# Allegro board DISCOVERY-F030_BOOSTPACK.brd (continued)
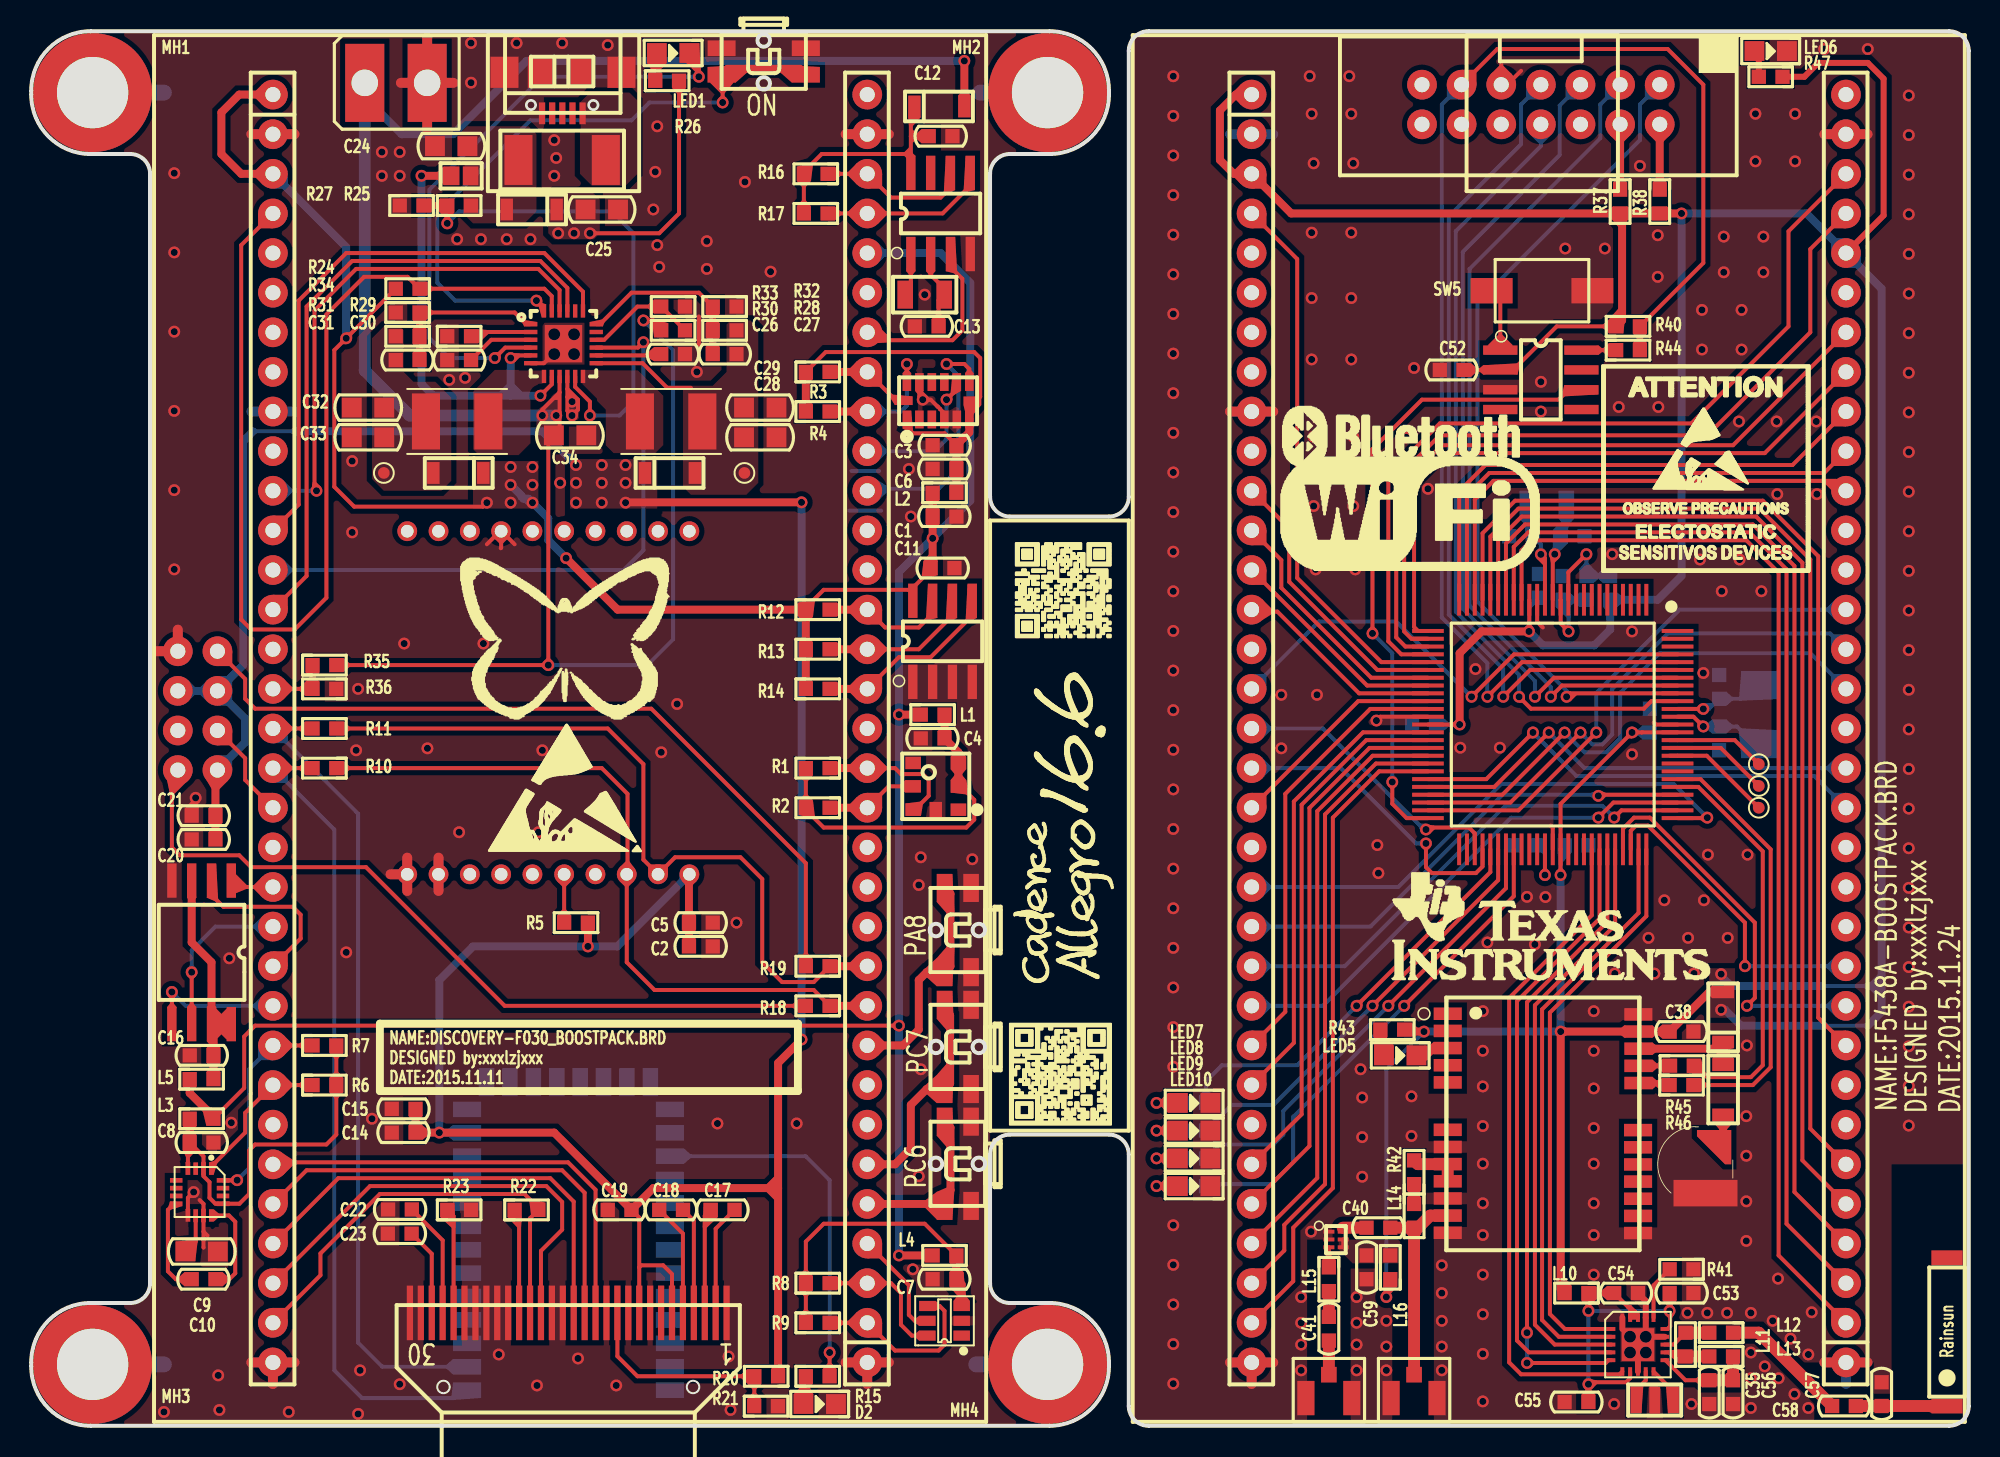
[diagram p0: board, top side]
## Nets (continued)
OLED_DC: U1.30(PB10) U11.15(DC)
OLED_RES: U1.29(PB2) U11.14(RES)
P1.0: U14.17(P1.0/TA0CLK/ACLK) U15.35(PB13)
P1.1: U14.18(P1.1/TA0.0) U15.36(PB14)
P1.2: U14.19(P1.2/TA0.1) U15.37(PB15)
P1.3: U14.20(P1.3/TA0.2) U15.38(PC6)
P1.4: U14.21(P1.4/TA0.3) U15.39(PC7)
P1.5: U14.22(P1.5/TA0.4) U15.42(PA8)
P1.6: U14.23(P1.6/SMCLK) U15.56(PB3)
P1.7: U14.24(P1.7) U15.57(PB4)
P2.0: U14.25(P2.0/TA1CLK/MCLK) U15.58(PB5)
P2.1: U14.26(P2.1/TA1.0) U15.59(PB6)
P2.2: U14.27(P2.2/TA1.1) U15.60(PB7)
P2.3: U14.28(P2.3/TA1.2) U15.63(PB8)
P2.4: U14.29(P2.4/RTCCLK) U15.64(PB9)
P2.5: U14.30(P2.5) U15.4(PC13)
P2.6: U14.31(P2.6/ACLK) U15.11(PC0)
P2.7: U14.32(P2.7/ADC12CLK/DMAE0) U15.12(PC1)
P3.0: U14.33(P3.0/UCB0STE/UCA0CLK) U15.13(PC2)
P3.1: U14.34(P3.1/UCB0SIMO/UCB0SDA) U15.14(PC3)
P3.2: U14.35(P3.2/UCB0SOMI/UCB0SCL) U15.19(PF4)
P3.3: U14.36(P3.3/UCB0CLK/UCA0STE) U15.25(PC4)
P3.4: U14.39(P3.4/UCA0TXD/UCA0SIMO) U15.26(PC5)
P3.5: U14.40(P3.5/UCA0RXD/UCA0SOMI) U15.28(PB1)
P3.6: U14.41(P3.6/UCB1STE/UCA1CLK) U15.29(PB2)
P3.7: U14.42(P3.7/UCB1SIMO/UCB1SDA) U15.30(PB10)
P4.0: U14.43(P4.0/TB0.0) U15.31(PB11)
P4.1: U14.44(P4.1/TB0.1) U15.32(PB12)
P4.2: U14.45(P4.2/TB0.2) U15.48(PF6)
P4.3: U14.46(P4.3/TB0.3) U15.49(PF7)
P4.4: U14.47(P4.4/TB0.4) U15.51(PA15)
P4.5: U14.48(P4.5/TB0.5) U15.52(PC10)
P4.6: U14.49(P4.6/TB0.6) U15.53(PC11)
P4.7: U14.50(P4.7/TB0CLK/SMCLK) U16.6(WDI)
P5.0: U14.9(P5.0/A8/VREF+/VEREF+)
P5.1: U14.10(P5.1/A9/VREF-/VEREF-)
P5.2: C39.1 U14.89(P5.2/XT2IN) X2.2
P5.3: C42.1 U14.90(P5.3/XT2OUT) X2.1
P5.4: U14.51(P5.4/UCB1SOMI/UCB1SCL)
P5.5: U14.52(P5.5/UCB1CLK/UCA1STE)
P5.6: U14.53(P5.6/UCA1TXD/UCA1SIMO) U15.17(PA2)
P5.7: U14.54(P5.7/UCA1RXD/UCA1SOMI) U15.18(PA3)
P6.0: U14.97(P6.0/A0) U15.16(PA1)
P6.1: U14.98(P6.1/A1)
P6.2: U14.99(P6.2/A2)
P6.3: U14.100(P6.3/A3)
P6.4: U14.1(P6.4/A4)
P6.5: U14.2(P6.5/A5)
P6.6: U14.3(P6.6/A6)
P6.7: U14.4(P6.7/A7)
P7.2: R48.2 U14.55(P7.2/TB0OUTH/SVMOUT)
P7.3: R49.2 U14.56(P7.3/TA1.2)
P7.4: U14.5(P7.4/A12)
P7.5: U14.6(P7.5/A13)
P7.6: U14.7(P7.6/A14)
P7.7: U14.8(P7.7/A15)
P8.0: R50.2 U14.57(P8.0/TA0.0)
P8.1: R51.2 U14.58(P8.1/TA0.1)
P8.2: U14.59(P8.2/TA0.2)
P8.3: U14.60(P8.3/TA0.3)
P8.4: U14.61(P8.4/TA0.4)
P8.5: U14.65(P8.5/TA1.0)
P8.6: U14.66(P8.6/TA1.1)
P8.7: U14.67(P8.7)
P9.0: U14.68(P9.0/UCB2STE/UCA2CLK) U17.6(IRQ)
P9.1: U14.69(P9.1/UCB2SIMO/UCB2SDA) U17.4(MOSI)
P9.2: U14.70(P9.2/UCB2SOMI/UCB2SCL) U17.5(MISO)
P9.3: U14.71(P9.3/UCB2CLK/UCA2STE) U17.3(SCK)
P9.4: U14.72(P9.4/UCA2TXD/UCA2SIMO) U15.43(PA9)
P9.5: U14.73(P9.5/UCA2RXD/UCA2SOMI) U15.44(PA10)
P9.6: U14.74(P9.6) U17.2(CSN)
P9.7: U14.75(P9.7) U17.1(CE)
P10.0: U14.76(P10.0/UCB3STE/UCA3CLK) U15.21(PA4)
P10.1: U14.77(P10.1/UCB3SIMO/UCB3SDA) U15.23(PA6)
P10.2: U14.78(P10.2/UCB3SOMI/UCB3SCL) U15.24(PA7)
P10.3: U14.79(P10.3/UCB3CLK/UCA3STE) U15.22(PA5)
P10.4: R45.1 U14.80(P10.4/UCA3TXD/UCA3SIMO)
P10.5: R46.1 U14.81(P10.5/UCA3RXD/UCA3SOMI)
P10.6: U14.82(P10.6)
P10.7: U14.83(P10.7)
P11.0: TP5.1 U14.84(P11.0/ACLK)
P11.1: TP4.1 U14.85(P11.1/MCLK)
P11.2: TP3.1 U14.86(P11.2/SMCLK)
PA8: SW3.1 SW3.2 U1.42(PA8)
PA11: U1.45(PA11)
PA12: U1.46(PA12)
PB0: U1.27(PB0)
PC6: SW1.1 SW1.2 U1.38(PC6)
PC7: SW2.1 SW2.2 U1.39(PC7)
PC12: U1.54(PC12)
PCF8563_INT: U1.60(PB7) U9.3(I\N\T\)
PCF8563_SCL: R16.2 U1.64(PB9) U9.6(SCL)
PCF8563_SDA: R17.2 U1.63(PB8) U9.5(SDA)
PD2: U1.55(PD2)
PF5: U1.20(PF5)
RF_RXD: R10.2 R18.2 U1.43(PA9) U4.3(DIN/NCONFIG/DIO14)
RF_TXD: R11.2 R19.2 U1.44(PA10) U4.2(DOUT/DIO13)
SYS_RESET#: JP1.11 R40.1 R44.1 U14.96(RST/NMI/SBWTDIO)
VMAX: C25.2 D3.2 R26.1 U13.10(VMAX)
W25QXX_CS: U1.21(PA4) U10.1(C\S\)
W25QXX_SPI_CLK: U1.22(PA5) U10.6(CLK)
W25QXX_SPI_MISO: U1.23(PA6) U10.2(DO)
W25QXX_SPI_MOSI: U1.24(PA7) U10.5(DI)
WIFI_RST: U1.19(PF4) U12.5(RST)
WIFI_RXD: R18.1 U12.8(RXD)
WIFI_TXD: R19.1 U12.1(TXD)
XIN: C44.1 U14.13(P7.0/XIN) X3.2
XOUT: C43.1 U14.14(P7.1/XOUT) X3.1
N8541817: C7.1 L4.2 R8.2 R9.2 U5.3(VDD)
N8542009: C3.2 C6.1 L2.1 R3.2 R4.2 U3.1(VDDIO) U3.6(VSUP) U3.7(C\S\)
N8544982: U9.1(OSCI) X1.2
N8545002: C13.2 U9.2(OSCO) X1.1
N8545114: C12.1 D1.2 R16.1 R17.1 U9.8(VDD)
N8545523: C16.2 L5.1 U10.3(W\P\) U10.7(H\O\L\D\) U10.8(VCC)
N8546037: C4.1 L1.1 R1.1 R2.1 U2.2(VDD) U2.3(VDDIO)
N8546671: C10.2 U6.8(SETP)
N8546679: C10.1 U6.12(SETC)
N8546727: C9.1 U6.10(C1)
N8546787: C8.1 L3.2 R6.1 R7.1 U6.2(VDD) U6.4(S1) U6.13(VDDIO)
N8574671: R30.2 R33.1 U13.16(AI)
N8574887: R25.2 R27.1 U13.11(WALLFB)
N8575029: C30.2 U13.3(TIMER)
N8575065: R29.1 U13.2(PROG)
N8575169: J1.2 U13.5(USBHP) U13.8(USB)
N8575189: C27.1 R28.2 R32.1 U13.18(FB2)
N8575237: LED1.2 U13.4(C\H\R\G\)
N8575265: LED1.1 R26.2
N8575479: SW4.1 SW4.2 U13.24(O\N\)
N8575491: L6.1 U13.12(SW2)
N8575511: L7.1 U13.7(SW1)
N8575671: C31.2 C32.2 C33.2 D4.1 L7.2 R31.1 TP2.1
N8575699: C27.2 C28.2 C29.2 D5.1 L6.2 R28.1 TP1.1 U13.13(HSI)
N8575711: C31.1 R31.2 R34.1 U13.1(FB1)
N8575985: C26.2 U13.14(HSO)
N8643747: R5.1 U4.5(NRESET)
N8643947: R15.1 U7.24(PIO1)
N8644147: D2.1(ANODE) R15.2
N8647187: C17.1 U11.2(C2P)
N8647191: C17.2 U11.3(C2N)
N8647195: C18.1 U11.4(C1P)
N8647199: C18.2 U11.5(C1N)
N8647463: C22.2 U11.27(VOOME)
N8647467: C23.2 U11.28(VOC)
N8651735: R23.2 U11.26(IREF)
N8655683: R22.2 U11.20(D2)
N10945329: C45.1 U14.62(VCORE_62)
N10946051: C46.2 L8.2 U14.11(AVCC_11)
N10946055: C46.1 L9.2 U14.12(AVSS_12)
N10961869: C53.1 C54.2 C55.1 L10.2 U17.7(VDD_1) U17.15(VDD_2) U17.18(VDD_3) U17.19(DVDD)
N10962053: R41.1 U17.16(IREF)
N10962111: U17.9(XC2) X4.1
N10962119: U17.10(XC1) X4.3
N10962271: L11.1 L12.1 U17.13(ANT2)
N10962295: L11.2 L13.1 U17.12(ANT1)
N10962327: C35.1 C56.1 L13.2 U17.11(VDD_PA)
N10962419: ANT1.1 C57.2 C58.1
N10963444: R42.1 U18.8(NC_2) U18.9(VCC_RF)
N10963506: C40.1 IPX1.1 L14.1 U18.11(RF_IN)
N10963546: C40.2 U19.6(RFOUT)
N10963554: C59.1 L16.1 U19.4(VCC) U19.5(S\H\D\N\)
N10963670: D6.2 D7.2 U18.22(V_BCKP)
N10963682: R45.2 U18.21(RXD1)
N10963868: LED5.2 U18.3(TIMEPULSE)
N10968156: R46.2 U18.20(TXD1)
N85747750: F1.1 USB1.1(VBUS)
N109599680: SW5.2 U16.1(MR_N)
N109599687: R44.2 U16.8(WDO_N)
N109622631: C57.1 L12.2
N109634042: L15.2 U19.3(RFIN)
N109634201: L14.2 R42.2
N109635940: C41.2 L15.1
N109636420: C41.1 IPX2.1
N109638440: LED5.1 R43.1
N109768750: LED6.1 R47.1
N109769940: LED7.1 R48.1
N109770480: LED8.1 R49.1
N109771830: LED9.1 R50.1
N109771990: LED10.1 R51.1
N1093742411: JP1.4 R37.2
N1093742412: JP1.2 R38.2

Pads without a net: ANT1 2; JP1 6 10 12 13 14; U1 5 6 7 8 10 15 40 41 47 50 61; U2 1 4; U3 3 10 11; U4 4 6 7 8 11 12 13 15 16 17 18 19 20; U5 1; U6 3 5 6 7 14 15; U7 3 4 5 6 7 8 9 10 11 14 15 16 17 18 19 20 23 25 26 27 28 29 30 31 32 33 34; U9 7; U11 7; U12 6; U13 17 20; U15 5 6 7 8 10 15 20 27 40 41 45 46 47 50 54 55 61 66; U16 4 5 7; U18 1 2 4 5 6 14 15 16 17 18 19; USB1 2 3 4

## Via types
v1: diameter 0.762, hole 0.457, TOP to BOTTOM, 388 vias
v2: diameter 1.016, hole 0.762, TOP to BOTTOM, 8 vias

## Routing (per net, layer and track width the routed paths; a pad name or vN(x,y) marks a point on that pad's centre or on a via; arc(x,y) is an arc through that point)
GND: length 151.5
  TOP w0.254: 11.05,11.43 11.05,11.43 11.05,12.45 ; U4.14 30.15,57.35 30.99,56.52 ; U4.14 30.05,57.35 29.21,56.52 ; U4.14 30.12,56.29 30.1,56.26 ; 95.5,86.87 94.62,85.98 JP1.9 94.23,87.38 ; v1(86.23,45.21) 86.48,45.46 U14.37 ; 11.3,12.19 11.05,12.45 ; 11.05,12.45 U6.11 11.05,14.23 10.79,14.48 ; U6.9 10.04,14.62 v1(10.41,14.99) ; C21.1 10.54,39.37 v1(10.54,40.26) ; U14.88 104.14,44.96 104.01,45.09 ; U14.15 96.54,51.55 96.9,51.18 ; 42.8,71.12 42.8,69.34 42.67,69.22 ; v2(34.8,68.71) 34.79,68.71 U13.25 32.87,68.12 U13.6 ; U3.4 58.53,64.91 58.26,65.18 58.26,65.19 58.11,65.34 58.1,65.34 57.66,65.79 v1(57.15,65.79) 56.93,66 U3.12 ; U14.63 97.54,38.35 97.41,38.48
  TOP w0.381: 102,6.21 U17.20 ; U17.14 v2(103.5,5.71) U17.17 103.5,8.01 C54.1 ; U17.8 U17.21
  TOP w0.635: BAT1.2 27.06,86.1 ; BAT1.2 25.38,83.17 ; BAT1.2 25.38,89.03 ; BAT1.2 23.7,86.1 ; 8.01,49.66 U12.2 9.4,51.04 ; 78.23,2.68 U15.33 ; U15.33 79.62,4.06 ; U15.33 76.85,4.06 ; 52.21,82.8 U1.65 54.98,82.8 ; 76.85,65.02 U15.9 79.62,65.02 ; 117.72,4.06 U15.34 114.95,4.06 ; 26.11,36.42 U4.9 26.11,34.29 ; 15.49,2.68 U1.33 ; U1.33 14.11,4.06 ; U1.33 16.88,4.06 ; 24.1,34.29 U4.10 ; U4.10 24.1,36.42 ; U4.10 23.04,35.36 ; 117.72,82.8 U15.65 114.95,82.8 ; 16.88,82.8 U1.2 14.11,82.8 ; U1.34 54.98,4.06 ; U1.34 52.21,4.06 ; U1.34 53.59,2.68
  BOTTOM w0.254: v2(33.53,68.71) v2(34.8,68.71) ; 54.48,58.67 52.45,58.67 ; 54.36,61.21 52.58,61.21
  BOTTOM w0.635: 23.04,35.36 U4.10 ; U4.10 24.1,34.29 ; U4.10 24.1,36.42 ; 8.01,49.66 U12.2 9.4,51.04 ; 53.59,2.68 U1.34 ; U1.34 54.98,4.06 ; U1.34 52.21,4.06 ; 76.85,65.02 U15.9 79.62,65.02 ; 16.88,82.8 U1.2 14.11,82.8 ; U15.33 79.62,4.06 ; U15.33 76.85,4.06 ; U15.33 78.23,2.68 ; 116.33,2.68 U15.34 ; U15.34 114.95,4.06 ; U15.34 117.72,4.06 ; 14.11,4.06 U1.33 ; U1.33 16.88,4.06 ; U1.33 15.49,2.68 ; 54.98,82.8 U1.65 52.21,82.8 ; 117.72,82.8 U15.65 114.95,82.8 ; 26.11,36.42 U4.9 26.11,34.29 ; BAT1.2 25.38,89.03 ; BAT1.2 27.06,86.1 ; BAT1.2 23.7,86.1 ; 79.62,82.8 U15.2 76.85,82.8 ; 14.11,65.02 U1.9 16.88,65.02
  BOTTOM w1.016: MH4.1 60.58,3.94 ; MH1.1 8.51,85.47 ; MH3.1 8.51,3.94 ; MH2.1 60.83,85.47
  vias: v1(8.51,0.89) v1(9.17,80.31) v1(9.17,75.23) v1(9.17,70.15) v1(9.17,65.07) v1(9.17,59.99) v1(9.17,54.91) v1(11.99,3.23) v1(12.07,1.02) v1(12.7,29.97) v1(12.83,19.43) v1(16.51,0.89) v1(20.19,30.35) v1(20.57,61.85) v1(20.57,57.28) v1(20.83,43.31) v1(20.96,47.24) v1(20.96,0.76) v1(21.08,3.56) v1(21.84,19.68) v1(22.48,81.66) v1(22.48,80.14) v1(23.62,81.66) v1(23.62,80.14) v1(23.62,2.67) v1(23.91,50.15) v1(25.4,43.43) v1(26.8,67.06) v1(27.3,76.07) v1(27.43,38.05) v1(27.81,67.18) v1(28.19,88.65) v1(28.19,86.11) v1(28.83,76.07) v1(28.99,50.15) v1(29.97,4.57) v1(30.48,76.07) v1(31.12,88.65) v1(32,76.07) v1(32.42,2.59) v1(32.51,38.05) v1(32.77,43.31) v1(33.53,82.42) v1(33.53,80.14) v1(33.66,81.28) v1(33.91,60.45) v1(34.04,88.65) v1(35.05,4.32) v1(36.96,88.52) v1(37.5,2.59) v1(39.88,77.98) v1(40,80.39) v1(40.13,83.31) v1(40.13,75.69) v1(40.26,74.3) v1(40.39,43.18) v1(41.41,46.27) v1(42.67,67.56) v1(43.31,75.95) v1(43.31,74.17) v1(43.99,19.38) v1(44.7,4.45) v1(44.83,1.02) v1(45.21,32.26) v1(45.75,79.74) v1(47.4,73.99) v1(49.07,19.38) v1(56.26,61.34) v1(56.39,58.29) v1(56.52,10.03) v1(56.9,34.67) v1(56.9,16) v1(57.02,36.45) v1(57.02,22.86) v1(57.28,72.52) v1(60.32,36.32) v1(73.21,86.52) v1(73.21,83.98) v1(73.21,81.44) v1(73.21,78.9) v1(73.21,76.36) v1(73.21,73.82) v1(73.21,71.28) v1(73.21,68.74) v1(73.21,66.2) v1(73.21,63.66) v1(73.21,61.12) v1(73.21,58.58) v1(73.21,56.04) v1(73.21,53.5) v1(73.21,50.96) v1(73.21,48.42) v1(73.21,45.88) v1(73.21,43.34) v1(73.21,40.8) v1(73.21,38.26) v1(73.21,35.72) v1(73.21,33.18) v1(73.21,30.64) v1(73.21,28.1) v1(73.21,25.56) v1(73.21,23.02) v1(73.21,12.86) v1(73.21,10.32) v1(73.21,7.78) v1(73.21,5.24) v1(73.21,2.7) v1(80.14,46.86) v1(80.14,43.43) v1(81.41,8.26) v1(81.41,6.6) v1(81.41,5.21) v1(81.41,3.56) v1(81.95,86.53) v1(82.04,12.45) v1(82.08,84.11) v1(82.08,76.49) v1(82.08,72.3) v1(82.08,68.36) v1(82.21,80.94) v1(82.21,63.41) v1(82.21,58.97) v1(82.34,54.9) v1(82.42,46.86) v1(84.49,86.53) v1(84.62,84.11) v1(84.62,76.49) v1(84.62,72.3) v1(84.62,68.36) v1(84.75,80.94) v1(84.75,63.41) v1(84.75,58.97) v1(84.88,54.9) v1(84.96,8.26) v1(84.96,6.6) v1(84.96,5.21) v1(84.96,3.56) v1(85.22,22.86) v1(85.32,21.05) v1(85.32,18.51) v1(85.32,15.97) v1(86.29,37.23) v1(86.36,35.43) v1(86.87,6.73) v1(86.87,5.08) v1(86.87,3.56) v1(88.14,63.37) v1(88.48,21.12) v1(88.48,18.58) v1(88.65,67.82) v1(89.54,60.07) v1(90.42,10.29) v1(90.42,8.51) v1(90.42,6.73) v1(90.42,5.08) v1(90.42,3.56) v1(91.61,43.47) v1(92.58,48.51) v1(93.05,26.58) v1(93.05,24.04) v1(93.05,21.76) v1(93.05,19.22) v1(93.05,16.8) v1(93.05,14.26) v1(93.05,12.23) v1(93.05,9.69) v1(93.05,7.15) v1(93.05,4.61) v1(93.05,1.56) v1(93.34,30.99) v1(94.15,43.47) v1(95.89,33.91) v1(96.39,30.86) v1(96.77,66.93) v1(96.77,65.02) v1(97.07,33.9) v1(98.34,75.48) v1(100.16,26.58) v1(100.16,24.04) v1(100.16,21.63) v1(100.16,19.09) v1(100.16,16.8) v1(100.16,14.26) v1(100.16,12.23) v1(100.16,9.69) v1(100.88,75.48) v1(101.35,55.88) v1(101.51,28.99) v1(101.47,1.4) v1(101.77,65.32) v1(102.62,50.93) v1(102.62,43.05) v1(103.12,80.77) v1(103.67,31.28) v1(104.05,28.99) v1(104.27,76.33) v1(104.27,73.66) v1(104.31,65.32) v1(104.69,33.69) v1(106.21,31.28) v1(106.17,7.24) v1(106.43,1.4) v1(106.59,28.99) v1(106.97,55.54) v1(107.1,71.54) v1(107.1,69) v1(107.19,48.26) v1(107.23,33.69) v1(107.44,7.24) v1(107.48,36.61) v1(108.37,53.51) v1(108.5,76.24) v1(108.5,73.95) v1(108.75,31.28) v1(108.71,7.24) v1(109.47,64.39) v1(109.51,55.54) v1(109.64,71.54) v1(109.64,69) v1(109.94,19.85) v1(109.94,17.31) v1(109.94,14.39) v1(109.94,11.85) v1(110.02,36.61) v1(109.98,24.38) v1(110.24,7.24) v1(110.24,4.7) v1(110.24,3.05) v1(110.24,1.14) v1(110.53,84.11) v1(110.53,81.06) v1(110.91,53.51) v1(111.04,76.24) v1(111.04,73.95) v1(111.12,3.81) v1(111.63,6.73) v1(111.89,64.39) v1(111.93,59.73) v1(111.98,9.44) v1(112.01,3.05) v1(112.78,5.59) v1(113.07,84.11) v1(113.07,81.06) v1(113.03,2.03) v1(113.92,4.57) v1(113.92,1.14) v1(114.13,7.28) v1(114.43,64.39) v1(114.47,59.73) v1(114.94,88.27) v1(117.73,88.27) v1(120.36,85.29) v1(120.36,82.75) v1(120.36,80.21) v1(120.36,77.67) v1(120.36,75.13) v1(120.36,72.59) v1(120.36,70.05) v1(120.36,67.51) v1(120.36,64.97) v1(120.36,62.43) v1(120.36,59.89) v1(120.36,57.35) v1(120.36,54.81) v1(120.36,52.27) v1(120.36,49.73) v1(120.36,47.19) v1(120.36,44.65) v1(120.36,42.11) v1(120.36,39.57) v1(120.36,37.03) v1(120.36,34.49) v1(120.36,31.95) v1(120.36,29.41) v1(120.36,26.87) v1(120.36,24.33) v1(120.36,21.79) v1(120.36,19.25) v2(33.53,69.98) v2(34.8,69.98) v2(102.49,5.71) v2(102.49,4.7) v2(103.51,4.7)
VCC2_3V3: length 196.3
  TOP w0.254: U11.9 38.98,10.16 ; 38.98,10.16 39.1,10.29 40.51,10.29 41.08,9.72 U11.6 ; 38.98,10.16 38.98,13.35 C19.1
  TOP w0.508: C20.2 C21.2 11.81,41.91 U12.7 ; 47.88,15.24 R20.2 ; 47.88,15.24 47.88,23.26 v1(49.38,24.77) ; 47.88,15.24 39.88,15.24 C19.1 33.53,18.8 v1(26.16,18.8) C14.1 C15.1 ; C2.2 C5.2 42.16,35.33 U4.1 ; v1(38.1,59.18) 38.12,59.2 v1(49.38,59.2) ; v1(35.69,30.73) R5.2
  BOTTOM w0.254: 16.89,63.75 14.22,63.75
  BOTTOM w0.508: U12.3 13.72,45.34 13.72,43.81 U12.7 ; U12.3 U12.4 ; U12.3 13.59,48.77 13.59,63.12 14.22,63.75 ; v1(34.92,61.59) 32.77,63.75 16.89,63.75 ; U4.1 37.57,30.73 v1(35.69,30.73) 28.32,30.73 26.16,28.57 v1(26.16,18.8) 27.93,18.8 U7.12 ; v1(49.38,59.2) v1(49.38,24.77)
  vias: v1(34.92,60.45) v1(34.92,59.18) v1(36.58,61.59) v1(36.58,60.45) v1(36.58,59.18) v1(38.1,61.59) v1(38.1,60.45)
VCC_3V3: length 513.8
  TOP w0.254: 56.52,53.34 56.26,53.59 50.8,53.59 49.66,52.45 R12.2 ; 56.52,53.34 56.52,52.89 ; 56.52,53.34 56.52,53.47 ; v1(55.63,25.65) 14.35,25.65 13.65,24.96 13.65,21.65 L3.1 ; v1(96.01,50.93) 96.04,50.95 U14.16 ; 56.39,53.59 56.52,53.47 ; 56.52,53.47 56.52,53.72 57.66,54.86 C11.1 ; U14.38 v1(91.57,44.96) ; v1(29.21,59.18) 28.96,58.93 20.7,58.93 19.43,60.2 19.43,68.96 v1(20.19,69.72) R24.1 ; L16.2 86.87,9.14 v1(86.87,8.26) ; C52.1 U16.2 95,67.69 97.79,70.48 R40.2 ; U14.87 103.26,44.46 103.25,44.45 v1(102.62,44.45) 98.04,39.87 U14.64 v1(98.04,35.31)
  TOP w0.381: R47.2 113.67,86.49 114.55,87.38 117.73,87.38 118.75,86.36 118.75,77.6 U15.62
  TOP w0.508: v1(89.28,25.27) 88.14,25.27 R43.2 ; v1(91.57,44.96) 91.57,49.53 92.96,50.93 v1(96.01,50.93) ; U1.1 13.34,85.34 12.19,84.2 12.19,81.53 13.46,80.26 U1.3 ; L1.2 v1(55.63,45.59) ; R37.1 R38.1 v1(105.79,77.72) ; R37.1 101.98,77.6 101.98,70.87 R40.2 ; R37.1 80.77,77.72 U15.3 77.09,80.26 76.2,81.15 76.2,84.33 77.22,85.34 U15.1 ; C11.1 57.78,55.12 v1(57.78,56.9) C1.2 L2.2 ; D6.1 107.57,27.81 C38.2 105.03,25.28 U18.23 98.3,25.28 98.3,25.27 v1(98.04,25.27) 98.04,8.76 L10.1 ; v1(34.29,55.63) 37.59,52.32 R12.2 R13.2 R14.2 ; L5.2 10.16,21.34 11.68,19.81 L3.1 ; v1(55.63,10.92) L4.1
  BOTTOM w0.254: C48.2 96.01,52.45 v1(96.01,50.93) ; C49.2 98.04,36.95 v1(98.04,35.31) ; 117.73,25.65 114.94,25.65 ; v1(102.62,44.45) C50.2 ; v1(89.28,25.27) 86.87,22.86 v1(86.87,8.26) ; v1(91.57,44.96) C47.2 ; 114.81,28.19 117.73,28.19
  BOTTOM w0.508: U1.62 58.29,75.18 60.2,73.28 60.2,59.31 v1(57.78,56.9) 55.63,54.74 v1(55.63,45.59) v1(55.63,25.65) v1(55.63,10.92) ; v1(108.33,28.96) 108.33,28.83 108.97,28.19 114.81,28.19 ; U1.3 20.19,75.56 v1(20.19,69.72) ; v1(96.01,50.93) 96.9,50.04 100.2,50.04 101.22,51.05 101.22,52.96 104.27,52.96 105.79,54.48 v1(105.79,77.72) 113.79,77.72 U15.62 118.62,72.9 118.62,28.19 ; 117.73,25.65 118.62,26.54 118.62,28.19 ; v1(108.33,26.67) 108.59,26.67 109.6,25.65 114.94,25.65 ; v1(98.04,35.31) 98.04,25.54 98.04,25.53 v1(98.04,25.27) v1(89.28,25.27) ; 117.73,28.19 118.62,28.19 ; v1(34.29,55.63) 33.15,56.77 33.15,58.17 v1(32.13,59.18) 31.88,59.44 31.56,59.44 31.43,59.56 31.43,59.63 v1(30.73,60.33)
  vias: v1(30.73,61.47) v1(30.73,59.18) v1(32.13,61.47) v1(32.13,60.33)
VCC_BAT: length 142
  TOP w0.254: U13.9 33.87,66.26 ; 33.87,66.26 32.77,65.15 v1(32.77,64.77) ; 33.87,66.26 33.87,63.87 C34.2 33.15,63.14 v1(33.15,48.77) R35.1 ; 33.87,64.99 v1(33.66,64.77) ; R30.1 40.39,70.36 39.88,70.87 v1(39.24,70.87)
  TOP w0.508: D1.1 v1(59.82,87.5)
  BOTTOM w0.254: v1(33.15,48.77) 39.5,48.77 41.15,50.42 41.15,68.96 v1(39.24,70.87)
  BOTTOM w0.508: v1(59.82,87.5) 31.75,87.5 27.05,82.8 23.75,82.8 21.89,84.66 21.38,84.66
  BOTTOM w0.762: v1(33.66,64.77) v1(32.77,64.77) 24.26,64.77 21.38,67.65 BAT1.1
VCC_BKUP: length 1.8
  TOP w0.508: BAT2.1 108.46,18.34 D7.1
3455_HSON: length 40.8
  TOP w0.254: U13.15 38.9,69.12 v1(39.24,69.47)
  BOTTOM w0.254: v1(39.24,69.47) 39.24,56.13 37.97,54.86 U1.13
3455_MODE: length 40.4
  TOP w0.254: U13.21 34.37,72.95 32.64,74.68 20.57,74.68 17.65,71.76 17.65,54.48 U1.14
3455_ON2: length 37.2
  TOP w0.254: U1.12 17.14,59.05 17.14,72.14 20.19,75.18 32.89,75.18 35.37,72.71 U13.19
3455_PBSTAT: length 68.5
  TOP w0.254: U13.23 33.37,72.42 32.89,72.9 R24.2 24.13,73.66 21.34,73.66 18.92,71.25 18.92,53.09 16.89,51.05 14.1,51.05 13.46,51.69 13.46,75.69 U1.4
3455_PWRON: length 33.1
  TOP w0.254: v1(18.29,59.94) 18.16,60.07 18.16,71.5 20.83,74.17 32.51,74.17 33.87,72.81 U13.22
  BOTTOM w0.254: v1(18.29,59.94) U1.11
AD7414_ALT: length 7
  TOP w0.254: U1.37 56.26,9.02 56.26,7.11 56.64,6.73 U5.5
AD7414_SCL: length 11.6
  TOP w0.254: U5.4 58.23,7.68 58.55,7.37 58.55,5.21 58.17,4.83 55.37,4.83 U1.35 R9.1
AD7414_SDA: length 8.8
  TOP w0.254: R8.1 U1.36 55.12,9.14 55.75,8.51 55.75,6.48 56.45,5.78 U5.6
ADC_BAT: length 4.1
  TOP w0.254: R35.2 R36.1 U1.16
ADXL345_INT1: length 15.9
  TOP w0.254: U3.8 60.13,67.76 59.82,68.07 v1(58.67,68.07)
  BOTTOM w0.254: v1(58.67,68.07) 59.44,67.31 59.44,61.34 58.17,60.07 53.72,60.07 U1.56
ADXL345_INT2: length 9.3
  TOP w0.254: U3.9 59.33,66.45 v1(58.67,65.79)
  BOTTOM w0.254: U1.57 57.91,62.48 58.67,63.25 v1(58.67,65.79)
ADXL345_SCL: length 5.5
  TOP w0.254: U3.14 55.44,65.72 U1.59
  TOP w0.508: U1.59 R3.1
ADXL345_SDA: length 8.9
  TOP w0.254: U3.13 v1(56.13,68.07)
  TOP w0.508: U1.58 R4.1
  BOTTOM w0.254: U1.58 55.75,65.02 56.13,65.41 v1(56.13,68.07)
AT24C512_SCL: length 9.7
  TOP w0.254: U1.52 56.9,49.78 59.05,51.94 59.05,52.89
  TOP w0.508: R13.1 U1.52
AT24C512_SDA: length 12
  TOP w0.254: U1.51 55.63,49.28 57.66,49.28 60.32,51.94 U8.5
  TOP w0.508: R14.1 U1.51
AT24C512_WP: length 8.3
  TOP w0.254: U1.53 54.74,51.18 56.9,51.18 57.78,52.07 U8.7
  TOP w0.508: U1.53 R12.1
BMP180_SCL: length 5.9
  TOP w0.254: U2.5 54.97,41 U1.48
  TOP w0.508: R2.2 U1.48
BMP180_SDA: length 9
  TOP w0.254: U1.49 55.37,42.16 55.75,41.78 57.15,41.78 57.53,41.4 57.53,40.39 56.64,39.5 U2.6
  TOP w0.508: U1.49 R1.2
BS1: length 14
  TOP w0.254: R21.2 46.35,1.27 R20.1 38.86,3.17 37.58,4.46 U11.11
BT_RXD: length 51.8
  TOP w0.254: U1.17 R11.1
  BOTTOM w0.254: U1.17 20.96,39.24 20.96,5.33 22.5,3.79 U7.2
BT_TXD: length 52.2
  TOP w0.254: U1.18 R10.1
  BOTTOM w0.254: U1.18 19.43,38.23 19.43,3.56 21.21,1.78 27.05,1.78 27.56,2.29 U7.1
HMC5883L_SCL: length 9.5
  TOP w0.254: R6.2 U1.26 13.72,20.07 13.72,18.8 11.55,16.63 U6.1
HMC5883L_SDA: length 13
  TOP w0.254: R7.2 U1.25 ; v1(13.2,15.75) 13.2,15.75 13.18,15.74 U6.16
  BOTTOM w0.254: v1(13.2,15.75) 13.97,16.52 13.97,22.86 U1.25
JTAG_TCK: length 55
  TOP w0.254: v1(94.36,46.74) 96.08,48.46 U14.95
  BOTTOM w0.254: JP1.7 95.5,84.71 95.5,82.17 90.87,77.54 90.87,52 94.36,48.51 v1(94.36,46.74)
JTAG_TDI: length 53.8
  TOP w0.254: U14.93 98.13,47.46 v1(97.41,46.74)
  BOTTOM w0.254: JP1.3 100.58,84.71 100.58,82.55 92.2,74.17 92.2,52.58 97.41,47.37 v1(97.41,46.74)
JTAG_TDO: length 53.7
  TOP w0.254: U14.92 98.65,46.96 v1(98.43,46.74)
  BOTTOM w0.254: v1(98.43,46.74) 98.43,47.12 92.71,52.83 92.71,72.01 103.12,82.42 103.12,84.71 JP1.1
JTAG_TEST: length 51.3
  TOP w0.254: v1(95.38,46.74) 96.14,45.97 103.38,45.97 103.86,46.46 U14.91
  BOTTOM w0.254: v1(95.38,46.74) 95.38,48.13 91.32,52.19 91.32,76.59 96.77,82.04 JP1.8
JTAG_TMS: length 53.9
  TOP w0.254: v1(96.39,46.74) 97.61,47.96 U14.94
  BOTTOM w0.254: JP1.5 97.98,84.65 97.98,81.47 91.77,75.26 91.77,52.37 96.39,47.75 v1(96.39,46.74)
OLED_CS: length 29.4
  TOP w0.254: U1.28 15.62,16.89 34.42,16.89 36.18,15.13 U11.13
OLED_D0: length 29.2
  TOP w0.254: U11.18 32.68,11.21 34.04,12.57 34.04,14.35 33.02,15.37 21.72,15.37 U1.31
OLED_D1: length 28.6
  TOP w0.254: U1.32 18.54,9.65 18.54,11.05 22.35,14.86 31.62,14.86 32.51,13.97 R22.1 31.98,13.31 U11.19
OLED_DC: length 28.8
  TOP w0.254: U1.30 19.68,15.88 33.27,15.88 34.78,14.37 U11.15
OLED_RES: length 29.2
  TOP w0.254: U1.29 17.65,16.38 34.04,16.38 35.48,14.94 U11.14
P1.0: length 70.7
  TOP w0.254: U14.17 95.54,56.13 96.18,56.77 109.95,56.77 112.01,54.7 112.01,10.92 U15.35
P1.1: length 69.6
  TOP w0.254: U14.18 95.04,56.35 95.96,57.28 110.16,57.28 112.52,54.91 112.52,12.95 U15.36
P1.2: length 68.5
  TOP w0.254: U15.37 113.03,14.99 113.03,55.12 110.37,57.78 95.75,57.78 94.54,56.57 U14.19
P1.3: length 67.4
  TOP w0.254: U14.20 94.04,56.79 95.54,58.29 110.58,58.29 113.54,55.33 113.54,17.02 U15.38
P1.4: length 66.4
  TOP w0.254: U14.21 93.54,57 95.33,58.8 110.79,58.8 114.05,55.54 114.05,19.05 U15.39
P1.5: length 60.2
  TOP w0.254: U14.22 93.04,57.22 95.12,59.31 111,59.31 114.55,55.75 114.55,26.16 U15.42
P1.6: length 31
  TOP w0.254: U14.23 92.54,59.39 93.73,60.58 115.7,60.58 U15.56
P1.7: length 32.2
  TOP w0.254: U14.24 92.04,59.65 93.47,61.09 114.94,61.09 U15.57
P2.0: length 33.9
  TOP w0.254: U15.58 112.9,61.59 93.22,61.59 91.54,59.91 U14.25
P2.1: length 40.9
  TOP w0.254: U14.26 88.9,50.96 88.65,51.21 88.65,60.45 90.55,62.36 111.12,62.36 U15.59
P2.2: length 43.6
  TOP w0.254: U15.60 109.09,62.87 90.42,62.87 88.01,60.45 88.01,50.93 88.48,50.46 U14.27
P2.3: length 51.4
  TOP w0.254: U15.63 114.05,75.44 114.05,70.1 107.44,63.5 90.3,63.5 87.5,60.71 87.5,50.55 88.09,49.96 U14.28
P2.4: length 54.5
  TOP w0.254: U15.64 112.65,76.58 112.65,70.48 106.43,64.26 90.3,64.26 87,60.96 87,50.29 87.83,49.46 U14.29
P2.5: length 35.2
  TOP w0.254: U15.4 81.15,74.8 81.15,54.36 86.55,48.96 U14.30
P2.6: length 18.1
  TOP w0.254: U15.11 80.65,57.53 80.65,54.1 86.29,48.46 U14.31
P2.7: length 16.3
  TOP w0.254: U14.32 85.9,47.96 80.14,53.72 80.14,55.5 U15.12
P3.0: length 14.4
  TOP w0.254: U15.13 85.64,47.46 U14.33
P3.1: length 13.5
  TOP w0.254: U14.34 85.12,46.96 79.88,52.2 78.36,52.2 U15.14
P3.2: length 14.1
  TOP w0.254: U15.19 85.07,46.46 U14.35
P3.3: length 28.4
  TOP w0.254: U14.36 85.84,45.96 80.39,40.51 80.39,26.54 U15.25
P3.4: length 29.7
  TOP w0.254: U15.26 80.94,24.55 80.94,40.02 85.37,44.46 U14.39
P3.5: length 34.2
  TOP w0.254: U15.28 81.44,19.97 81.44,39.82 85.58,43.96 U14.40
P3.6: length 36.1
  TOP w0.254: U15.29 81.94,17.93 81.94,39.61 85.79,43.46 U14.41
P3.7: length 38
  TOP w0.254: U15.30 82.44,15.89 82.44,39.4 85.99,42.96 U14.42
P4.0: length 39.9
  TOP w0.254: U15.31 80.33,11.24 80.33,12.88 82.94,15.49 82.94,39.2 86.2,42.46 U14.43
P4.1: length 41.9
  TOP w0.254: U14.44 86.41,41.96 83.44,38.99 83.44,15.24 80.9,12.7 80.9,9.27 U15.32
P4.2: length 30
  TOP w0.254: v1(96.27,44.45) 93.27,41.46 U14.45
  BOTTOM w0.254: v1(96.27,44.45) 99.06,41.66 114.3,41.66 U15.48
P4.3: length 29.2
  TOP w0.254: U14.46 93.79,40.96 v1(97.28,44.45)
  BOTTOM w0.254: U15.49 99.57,42.16 v1(97.28,44.45)
P4.4: length 34.3
  TOP w0.254: v1(98.3,44.45) 94.31,40.46 U14.47
  BOTTOM w0.254: U15.51 114.05,49.53 104.39,49.53 101.85,46.99 101.85,44.07 100.97,43.18 99.57,43.18 v1(98.3,44.45)
P4.5: length 34.1
  TOP w0.254: U14.48 94.82,39.96 v1(99.31,44.45)
  BOTTOM w0.254: v1(99.31,44.45) 100.08,43.69 100.71,43.69 101.35,44.32 101.35,47.24 104.9,50.8 115.32,50.8 U15.52
P4.6: length 33.6
  TOP w0.254: U14.49 95.34,39.46 v1(100.33,44.45)
  BOTTOM w0.254: v1(100.33,44.45) 100.33,46.99 105.66,52.32 U15.53
P4.7: length 40.9
  TOP w0.254: U16.6 98.55,66.42 97.92,65.79 89.15,65.79 85.98,62.61 v1(85.98,50.8) ; v1(87.25,41.27) 87.25,39.88 88.17,38.96 U14.50
  BOTTOM w0.254: v1(87.25,41.27) 87.25,49.53 v1(85.98,50.8)
P5.2: length 6.1
  TOP w0.254: v1(107.19,44.83) 106.56,45.46 U14.89
  BOTTOM w0.254: X2.2 110.49,43.69 109.35,44.83 C39.1 v1(107.19,44.83)
P5.3: length 6
  TOP w0.254: v1(107.19,45.96) U14.90
  BOTTOM w0.254: v1(107.19,45.96) 107.55,45.96 C42.1 109.6,46.61 110.49,47.49 X2.1
P5.6: length 18.2
  TOP w0.254: U14.53 92.54,37.98 92.16,38.35 89.54,38.35 v1(89.41,38.23)
  BOTTOM w0.254: U15.17 82.8,44.7 89.28,38.23 v1(89.41,38.23)
P5.7: length 19.8
  TOP w0.254: v1(89.41,37.34) 89.41,35.81 89.79,35.43 92.61,35.43 93.04,35.86 U14.54
  BOTTOM w0.254: U15.18 83.95,42.16 88.77,37.34 v1(89.41,37.34)
P6.0: length 32.2
  TOP w0.254: U14.97 95.05,49.46 v1(92.33,46.74)
  BOTTOM w0.254: v1(92.33,46.74) 87.5,51.56 82.55,51.56 U15.16
P7.2: length 26.6
  TOP w0.254: v1(84.96,26.92) 93.54,35.5 U14.55
  BOTTOM w0.254: R48.2 75.31,22.1 76.33,23.11 81.15,23.11 v1(84.96,26.92)
P7.3: length 27.4
  TOP w0.254: v1(85.98,26.92) 94.04,34.98 U14.56
  BOTTOM w0.254: R49.2 76.96,20.57 79.63,20.57 v1(85.98,26.92)
P8.0: length 29.8
  TOP w0.254: v1(87,26.92) 94.54,34.47 U14.57
  BOTTOM w0.254: R50.2 76.2,18.03 79.63,18.03 80.26,18.67 80.26,20.19 v1(87,26.92)
P8.1: length 32.1
  TOP w0.254: v1(88.01,26.92) 95.04,33.95 U14.58
  BOTTOM w0.254: R51.2 75.44,15.49 79.5,15.49 80.9,16.89 80.9,19.81 v1(88.01,26.92)
P9.0: length 42.7
  TOP w0.254: U14.68 100.04,32.73 94.74,27.43 94.74,4.06 95.5,3.3 101.82,3.3 U17.6
P9.1: length 40
  TOP w0.254: U14.69 100.54,32.52 95.24,27.22 95.24,5.47 96,4.71 U17.4
P9.2: length 40.5
  TOP w0.254: U17.5 101.11,4.21 100.93,4.03 v1(95.89,4.03) ; v1(95.89,5.97) 95.89,27.16 101.04,32.31 U14.70
  BOTTOM w0.254: v1(95.89,5.97) v1(95.89,4.03)
P9.3: length 38
  TOP w0.254: U17.3 97.66,5.21 96.39,6.48 96.39,26.96 101.54,32.1 U14.71
P9.4: length 24.8
  TOP w0.254: v1(109.98,26.92) 110.49,27.43 110.49,32.26 103.76,38.99 102.74,38.99 102.04,38.28 U14.72
  BOTTOM w0.254: U15.43 v1(109.98,26.92)
P9.5: length 20.5
  TOP w0.254: U14.73 102.54,38.15 102.87,38.48 103.63,38.48 109.86,32.26 v1(109.86,29.46)
  BOTTOM w0.254: v1(109.86,29.46) U15.44
P9.6: length 37.6
  TOP w0.254: U14.74 103.04,32.88 96.85,26.7 96.85,6.78 97.93,5.71 U17.2
P9.7: length 36.7
  TOP w0.254: U17.1 98.31,6.21 97.35,7.17 97.35,26.49 103.54,32.67 U14.75
P10.0: length 34.8
  TOP w0.254: v1(107.44,38.99) 107.41,38.96 U14.76
  BOTTOM w0.254: U15.21 87.63,34.54 94.23,41.15 105.28,41.15 v1(107.44,38.99)
P10.1: length 32.1
  TOP w0.254: v1(101.47,38.99) 101.94,39.46 U14.77
  BOTTOM w0.254: U15.23 84.2,29.46 94.49,39.75 100.71,39.75 v1(101.47,38.99)
P10.2: length 32.7
  TOP w0.254: v1(100.46,38.99) 101.43,39.96 U14.78
  BOTTOM w0.254: U15.24 82.8,26.92 94.87,38.99 v1(100.46,38.99)
P10.3: length 30.9
  TOP w0.254: v1(100.46,40.39) 100.53,40.46 U14.79
  BOTTOM w0.254: v1(100.46,40.39) 100.38,40.46 94.31,40.46 85.85,32 U15.22
P10.4: length 25.9
  TOP w0.254: U14.80 106.87,40.96 111,36.83 111,23.11 110.24,22.35 107.44,22.35 106.71,23.09 R45.1
P10.5: length 27.2
  TOP w0.254: U14.81 107,41.46 111.51,36.96 111.51,22.99 110.36,21.84 R46.1
P11.0: length 7.1
  TOP w0.254: 105.03,42.96 U14.84 107.41,42.96 TP5.1
P11.1: length 6.7
  TOP w0.254: TP4.1 108.31,43.46 U14.85 105.03,43.46
P11.2: length 6.4
  TOP w0.254: TP3.1 109.2,43.96 U14.86 105.03,43.96
PA8: length 14.5
  TOP w0.508: SW3.2 58.93,34.1 58.93,29.46 SW3.1 57.4,29.08 56.9,28.57 56.9,25.4 55.88,24.38 U1.42
PC6: length 10.7
  TOP w0.508: U1.38 58.42,14.22 SW1.1 58.55,14.73 58.93,15.11 58.93,19.12 SW1.2
PC7: length 14.3
  TOP w0.508: U1.39 55.37,16.76 56.39,17.78 56.39,20.57 57.4,21.59 SW2.1 58.91,21.95 58.91,26.31 58.55,26.67 SW2.2
PCF8563_INT: length 11.8
  TOP w0.254: U9.3 58.93,74.3 59.69,73.53 59.69,70.23 59.05,69.6 54.1,69.6 U1.60
PCF8563_SCL: length 9.7
  TOP w0.254: R16.2 U1.64 55.12,78.74 58.29,78.74 58.93,79.38 U9.6
PCF8563_SDA: length 10.7
  TOP w0.254: U9.5 60.2,79.5 58.42,77.72 U1.63 R17.2
RF_RXD: length 46.7
  TOP w0.254: R10.2 36.58,42.16 38.23,40.51 38.23,35.41 U4.3 38.18,29.72 39.95,27.94 50.16,27.94 R18.2
  TOP w0.508: U1.43 R18.2
RF_TXD: length 48.8
  TOP w0.254: R19.2 50.16,28.45 48.13,28.45 46.86,29.72 46.86,35.05 45.47,36.45 41.27,36.45 U4.2 39.24,36.3 39.24,42.42 36.96,44.7 R11.2
  TOP w0.508: U1.44 R19.2
SYS_RESET#: length 90.2
  TOP w0.254: R44.1 R40.1 107.19,74.55 107.19,85.98 104.9,88.27 93.98,88.27 JP1.11 ; U14.96 95.57,48.96 v1(93.34,46.74)
  BOTTOM w0.254: JP1.11 90.42,84.71 90.42,51.82 93.34,48.9 v1(93.34,46.74)
VMAX: length 19.9
  TOP w0.254: 34.37,66.47 35.05,65.79 35.05,65.15 v1(34.67,64.77) 34.37,65.07 34.37,65.96 ; 34.37,66.47 34.37,65.96 ; 34.37,66.47 U13.10 ; 34.37,65.96 v1(34.67,65.66) ; R26.1 41.53,77.72 40.26,76.45 v1(35.81,76.45)
  vias: v1(33.78,76.45) v1(34.8,76.45)
W25QXX_CS: length 2.9
  TOP w0.254: U10.1 12.83,34.8 13.08,34.54 U1.21
W25QXX_SPI_CLK: length 10.6
  TOP w0.254: v1(10.29,29.08) 10.29,25.75
  BOTTOM w0.254: U1.22 11.81,32 10.29,30.48 v1(10.29,29.08)
W25QXX_SPI_MISO: length 11.2
  TOP w0.254: 11.56,34.95 11.56,34.04 12.32,33.27 16.76,33.27 17.27,32.77 17.27,31.24 U1.23
W25QXX_SPI_MOSI: length 8.9
  TOP w0.254: U10.5 v1(9.02,27.81)
  BOTTOM w0.254: v1(9.02,27.81) 9.91,26.92 U1.24
WIFI_RST: length 6.4
  TOP w0.254: U12.5 13.72,42.8 13.72,41.4 U1.19
WIFI_RXD: length 50
  TOP w0.254: U12.8 9.4,41.91 9.02,41.53 9.02,37.08 9.53,36.58 13.34,36.58 14.1,35.81 21.46,35.81 30.35,26.92 R18.1
WIFI_TXD: length 50.7
  TOP w0.254: U12.1 13.72,47.88 13.72,46.61 14.35,45.97 39.75,45.97 49.66,36.07 R19.1
XIN: length 6.5
  TOP w0.254: v1(97.66,55.88) 97.54,55.75 U14.13
  BOTTOM w0.254: v1(97.66,55.88) 97.66,56.64 C44.1 98.41,57.38 X3.2
